# Altium PCB IntelligentCarFor51PcbDoc.PcbDoc (part 12 of 14)
Units mil, origin at the board's own origin, x right, y up, seen from the top; angles counter-clockwise.
Board outline 2298.05 x 2090.03 mil, 2 copper layers (Top Layer, Bottom Layer); 55 components, 66 nets, 258 pads, 143 vias.
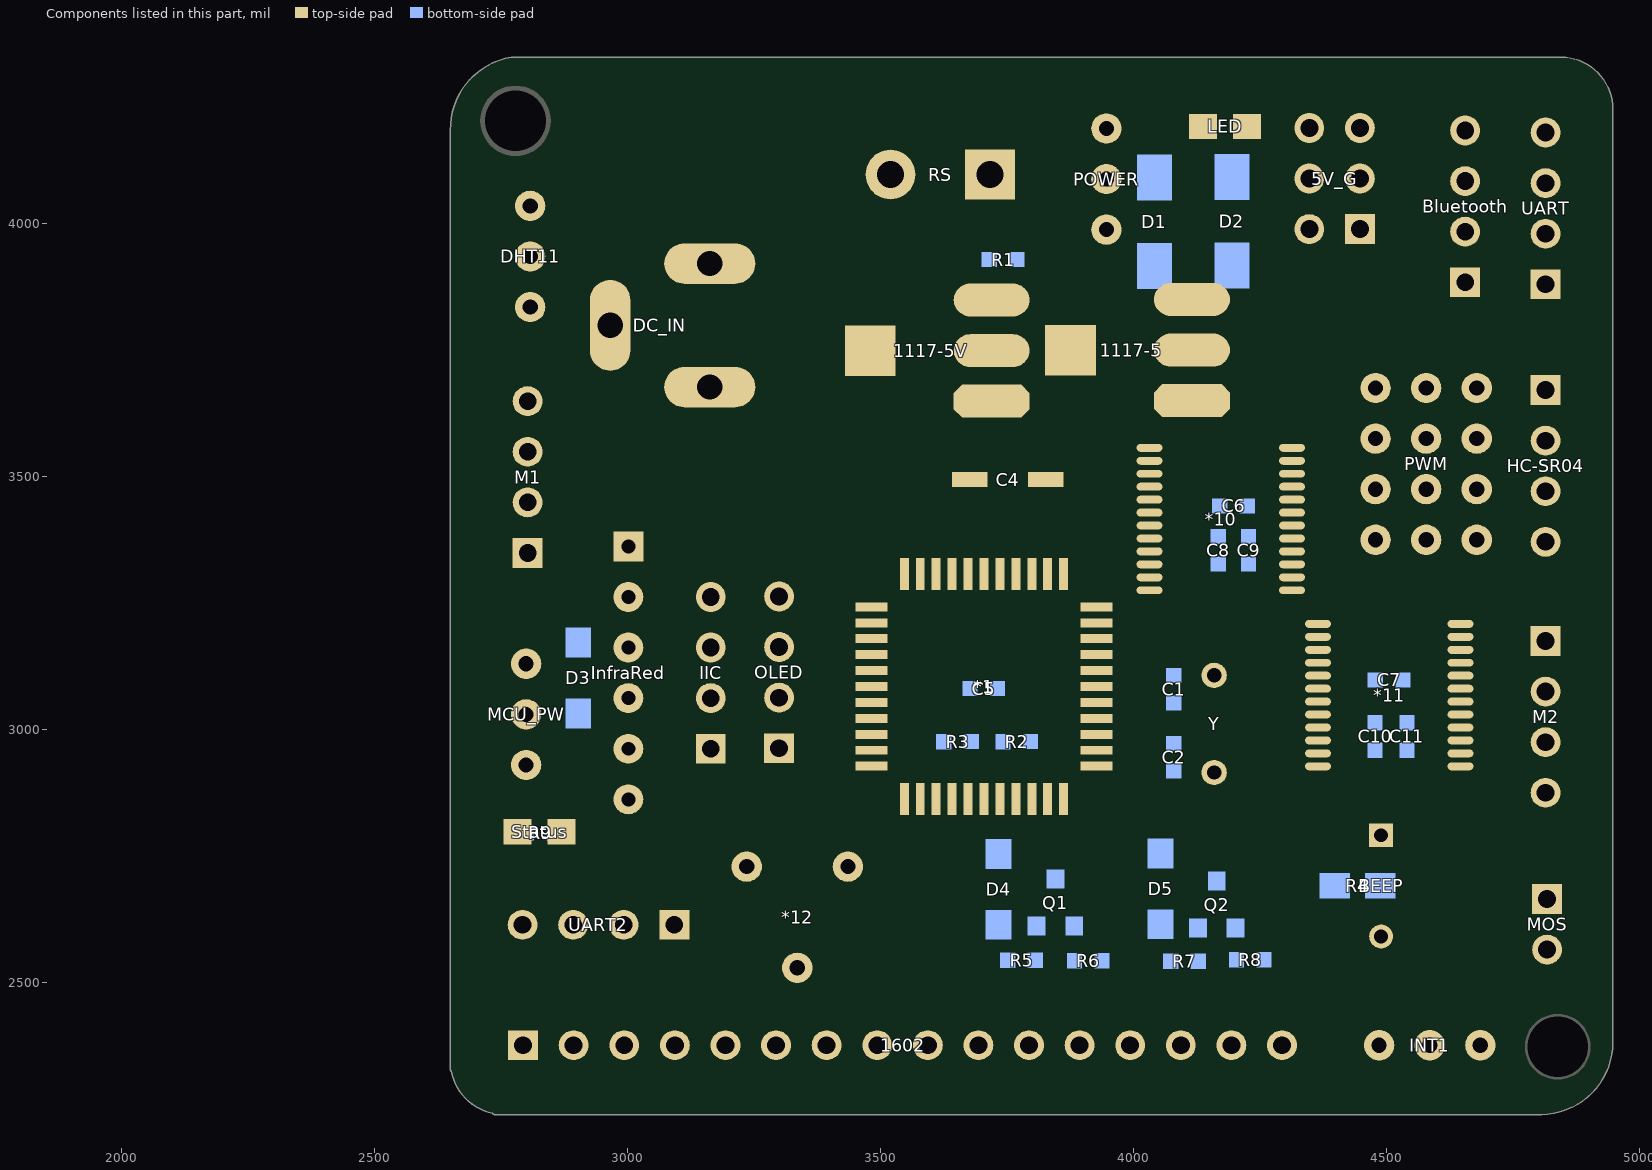
[diagram p12: the components of this part, seen from the top]

## Via types
v1: diameter 12, hole 8, Top Layer to Bottom Layer, 53 vias
v2: diameter 10, hole 7, Top Layer to Bottom Layer, 20 vias
v3: diameter 20, hole 12, Top Layer to Bottom Layer, 15 vias
v4: diameter 35, hole 25, Top Layer to Bottom Layer, 13 vias
v5: diameter 15, hole 10, Top Layer to Bottom Layer, 10 vias
v6: diameter 18, hole 12, Top Layer to Bottom Layer, 10 vias
v7: diameter 50, hole 35, Top Layer to Bottom Layer, 7 vias
v8: diameter 30, hole 20, Top Layer to Bottom Layer, 5 vias
v9: diameter 12, hole 7, Top Layer to Bottom Layer, 3 vias
v10: diameter 25, hole 18, Top Layer to Bottom Layer, 2 vias
v11: diameter 40, hole 30, Top Layer to Bottom Layer, 2 vias
v12: diameter 8, hole 7, Top Layer to Bottom Layer, 1 vias
v13: diameter 30, hole 22, Top Layer to Bottom Layer, 1 vias
v14: diameter 24, hole 18, Top Layer to Bottom Layer, 1 vias

## Nets (pads, with @x,y where several pads share a name; then routed paths per layer and width w, separated by ;. In a path a pad name is that pad's centre, name@x,y a point inside that pad or via, vN(x,y) a via of type N, cw(c..) or ccw(c..) an arc to the next point about the centre after c; other vN are vias at no path point) (continued)
copper on no net: (continued)
  Top Layer w0.4: 2228.8,2592.2 2254.8,2592.2 ; 2228.8,2617 2230.4,2617 ; 2228.8,2617.4 2230.4,2617.4 ; 2228.8,2633 2240.4,2633 ; 2228.8,2633.4 2240.4,2633.4 ; 2229.2,2616.6 2230,2616.6 ; 2229.2,2617.8 2229.6,2617.8 ; 2229.2,2632.6 2240,2632.6 ; 2229.6,2585.8 2239.6,2585.8 ; 2229.6,2599.8 2230.8,2599.8 ; 2229.6,2632.2 2239.6,2632.2 ; 2229.6,2637.8 2239.6,2637.8 ; 2230,2631.4 2238.8,2631.4 ; 2230,2631.8 2239.2,2631.8 ; 2230.4,2591.8 2254.4,2591.8 ; 2230.4,2631 2238.8,2631 ; 2230.8,2622.6 2232,2622.6 ; 2230.8,2623 2232.4,2623 ; 2230.8,2623.4 2232,2623.4 ; 2230.8,2630.6 2238.4,2630.6 ; 2231.2,2630.2 2238,2630.2 ; 2231.6,2591.4 2253.6,2591.4 ; 2231.6,2629.4 2237.6,2629.4 ; 2231.6,2629.8 2237.6,2629.8 ; 2231.6,2638.2 2238,2638.2 ; 2231.6,2656.6 2238.4,2656.6 ; 2231.6,2703 2243.2,2703 ; 2232,2618.6 2232.8,2618.6 ; 2232,2629 2237.2,2629 ; 2232.4,2617.8 2233.2,2617.8 ; 2232.4,2618.2 2233.2,2618.2 ; 2232.4,2619 2232.8,2619 ; 2232.4,2619.4 2233.2,2619.4 ; 2232.4,2619.8 2233.2,2619.8 ; 2232.4,2628.6 2236.8,2628.6 ; 2232.8,2617.4 2234,2617.4 ; 2232.8,2620.2 2233.6,2620.2 ; 2232.8,2628.2 2236.4,2628.2 ; 2233.2,2617 2236,2617 ; 2233.2,2620.6 2236,2620.6 ; 2233.2,2627.8 2236,2627.8 ; 2233.6,2616.6 2235.6,2616.6 ; 2233.6,2627.4 2235.6,2627.4 ; 2234,2585.4 2234.8,2585.4 ; 2234,2613 2234.8,2613 ; 2234,2613.4 2235.2,2613.4 ; 2234,2613.8 2235.2,2613.8 ; 2234,2614.2 2234.8,2614.2 ; 2234,2621 2235.2,2621 ; 2235.6,2617.4 2236.4,2617.4 ; 2235.6,2620.2 2236.4,2620.2 ; 2235.6,2702.6 2245.2,2702.6 ; 2236,2617.8 2236.8,2617.8 ; 2236,2618.2 2236.8,2618.2 ; 2236,2619.4 2236.8,2619.4 ; 2236,2619.8 2236.8,2619.8 ; 2236.4,2618.6 2236.8,2618.6 ; 2236.4,2619 2236.8,2619 ; 2236.8,2593.8 2256.8,2593.8 ; 2236.8,2623 2238.4,2623 ; 2236.8,2643.8 2245.6,2643.8 ; 2237.2,2622.6 2238.4,2622.6 ; 2237.2,2623.4 2238.4,2623.4 ; 2238,2702.2 2246.8,2702.2 ; 2238.4,2599.8 2239.6,2599.8 ; 2238.4,2600.2 2240.8,2600.2 ; 2238.4,2600.6 2242,2600.6 ; 2238.4,2601 2242.8,2601 ; 2238.4,2601.4 2243.6,2601.4 ; 2238.4,2601.8 2244.4,2601.8 ; 2238.4,2602.2 2245.2,2602.2 ; 2238.4,2602.6 2245.6,2602.6 ; 2238.4,2603 2246,2603 ; 2238.4,2603.4 2246.8,2603.4 ; 2238.4,2603.8 2247.2,2603.8 ; 2238.4,2604.2 2247.6,2604.2 ; 2238.4,2604.6 2248,2604.6 ; 2238.4,2605 2248.4,2605 ; 2238.4,2605.4 2248.8,2605.4 ; 2238.4,2605.8 2249.2,2605.8 ; 2238.4,2606.2 2249.6,2606.2 ; 2238.4,2606.6 2250,2606.6 ; 2238.4,2607 2250.4,2607 ; 2238.4,2607.4 2250.8,2607.4 ; 2238.4,2607.8 2250.8,2607.8 ; 2238.4,2608.2 2251.2,2608.2 ; 2238.4,2608.6 2251.2,2608.6 ; 2238.4,2609 2251.6,2609 ; 2238.4,2609.4 2251.6,2609.4 ; 2238.4,2609.8 2250.4,2609.8 ; 2238.4,2610.2 2249.2,2610.2 ; 2238.8,2610.6 2247.6,2610.6 ; 2238.8,2611 2246,2611 ; 2238.8,2611.4 2244.8,2611.4 ; 2238.8,2611.8 2243.6,2611.8 ; 2238.8,2617 2240.4,2617 ; 2238.8,2617.4 2240.4,2617.4 ; 2239.2,2594.2 2257.2,2594.2 ; 2239.2,2612.2 2242,2612.2 ; 2239.2,2616.6 2240,2616.6 ; 2239.2,2617.8 2240,2617.8 ; 2239.6,2643.4 2246.4,2643.4 ; 2241.2,2594.6 2257.6,2594.6 ; 2241.2,2643 2247.2,2643 ; 2241.2,2701.8 2249.2,2701.8 ; 2242.4,2595 2258,2595 ; 2242.4,2621 2254,2621 ; 2242.4,2621.4 2254,2621.4 ; 2242.4,2621.8 2254,2621.8 ; 2242.4,2622.2 2254,2622.2 ; 2242.4,2622.6 2254,2622.6 ; 2242.4,2642.6 2248,2642.6 ; 2242.8,2620.6 2254,2620.6 ; 2242.8,2623 2253.6,2623 ; 2242.8,2623.4 2253.6,2623.4 ; 2242.8,2647.8 2260.4,2647.8 ; 2243.2,2620.2 2254,2620.2 ; 2243.2,2623.8 2253.6,2623.8 ; 2243.6,2595.4 2258.4,2595.4 ; 2243.6,2624.2 2253.6,2624.2 ; 2243.6,2624.6 2253.2,2624.6 ; 2243.6,2642.2 2248.4,2642.2 ; 2243.6,2701.4 2251.6,2701.4 ; 2244,2625 2253.2,2625 ; 2244,2625.4 2253.2,2625.4 ; 2244.4,2595.8 2258.8,2595.8 ; 2244.4,2619.8 2254,2619.8 ; 2244.4,2625.8 2252.8,2625.8 ; 2244.4,2641.8 2248.8,2641.8 ; 2244.4,2647.4 2261.2,2647.4 ; 2244.8,2626.2 2252.8,2626.2 ; 2245.2,2626.6 2252.8,2626.6 ; 2245.2,2627 2252.4,2627 ; 2245.6,2596.2 2259.2,2596.2 ; 2245.6,2619.4 2254,2619.4 ; 2245.6,2627.4 2252.4,2627.4 ; 2245.6,2641.4 2249.6,2641.4 ; 2245.6,2647 2261.6,2647 ; 2246,2627.8 2252,2627.8 ; 2246,2628.2 2252,2628.2 ; 2246,2641 2250,2641 ; 2246,2701 2253.2,2701 ; 2246.4,2596.6 2259.6,2596.6 ; 2246.4,2628.6 2251.6,2628.6 ; 2246.8,2597 2260,2597 ; 2246.8,2619 2254,2619 ; 2246.8,2629 2251.2,2629 ; 2246.8,2629.4 2251.2,2629.4 ; 2246.8,2640.6 2250.4,2640.6 ; 2246.8,2646.6 2262,2646.6 ; 2247.2,2629.8 2250.8,2629.8 ; 2247.6,2597.4 2260.4,2597.4 ; 2247.6,2618.6 2254,2618.6 ; 2247.6,2630.2 2250.8,2630.2 ; 2247.6,2630.6 2250.4,2630.6 ; 2247.6,2640.2 2250.8,2640.2 ; 2248,2631 2250,2631 ; 2248,2646.2 2262.4,2646.2 ; 2248,2700.6 2255.2,2700.6 ; 2248.4,2597.8 2260.4,2597.8 ; 2248.4,2631.4 2249.6,2631.4 ; 2248.4,2631.8 2249.2,2631.8 ; 2248.4,2639.8 2251.2,2639.8 ; 2248.4,2645.8 2262.8,2645.8 ; 2248.8,2598.2 2260.8,2598.2 ; 2248.8,2618.2 2254,2618.2 ; 2248.8,2639.4 2251.6,2639.4 ; 2249.2,2639 2252,2639 ; 2249.2,2645.4 2263.2,2645.4 ; 2249.6,2598.6 2261.2,2598.6 ; 2249.6,2617.8 2254,2617.8 ; 2249.6,2700.2 2256.4,2700.2 ; 2250,2599 2261.6,2599 ; 2250,2638.6 2252.4,2638.6 ; 2250,2645 2263.6,2645 ; 2250.4,2599.4 2262,2599.4 ; 2250.4,2638.2 2252.8,2638.2 ; 2250.4,2644.6 2264,2644.6 ; 2250.8,2599.8 2262,2599.8 ; 2250.8,2617.4 2254,2617.4 ; 2250.8,2637.8 2253.2,2637.8 ; 2251.2,2600.2 2262.4,2600.2 ; 2251.2,2637.4 2254,2637.4 ; 2251.2,2644.2 2264.4,2644.2 ; 2251.2,2699.8 2258,2699.8 ; 2251.6,2600.6 2262.8,2600.6 ; 2251.6,2637 2267.2,2637 ; 2251.6,2643.8 2264.8,2643.8 ; 2252,2617 2254,2617 ; 2252,2643.4 2265.2,2643.4 ; 2252.4,2601 2262.8,2601 ; 2252.4,2636.6 2266,2636.6 ; 2252.4,2643 2266,2643 ; 2252.8,2601.4 2263.2,2601.4 ; 2252.8,2635.8 2332.4,2635.8 ; 2252.8,2636.2 2332.4,2636.2 ; 2252.8,2642.6 2295.6,2642.6 ; 2253.2,2601.8 2263.2,2601.8 ; 2253.2,2602.2 2263.6,2602.2 ; 2253.2,2616.6 2254,2616.6 ; 2253.2,2635.4 2332.4,2635.4 ; 2253.2,2642.2 2294,2642.2 ; 2253.2,2699.4 2259.6,2699.4 ; 2253.6,2602.6 2263.6,2602.6 ; 2253.6,2635 2332,2635 ; 2253.6,2641.8 2291.6,2641.8 ; 2254,2603 2264,2603 ; 2254,2634.6 2332,2634.6 ; 2254,2641 2287.6,2641 ; 2254,2641.4 2289.6,2641.4 ; 2254,2687.4 2312,2687.4 ; 2254.4,2603.4 2264.4,2603.4 ; 2254.4,2634.2 2332,2634.2 ; 2254.4,2640.6 2286,2640.6 ; 2254.8,2603.8 2264.4,2603.8 ; 2254.8,2604.2 2264.8,2604.2 ; 2254.8,2633.4 2332,2633.4 ; 2254.8,2633.8 2332,2633.8 ; 2254.8,2639.8 2282.8,2639.8 ; 2254.8,2640.2 2284.4,2640.2 ; 2255.2,2604.6 2264.8,2604.6 ; 2255.2,2633 2332,2633 ; 2255.2,2637.4 2270,2637.4 ; 2255.2,2637.8 2272.4,2637.8 ; 2255.2,2638.6 2276.4,2638.6 ; 2255.2,2639 2278.4,2639 ; 2255.2,2639.4 2280.8,2639.4 ; 2255.2,2699 2261.2,2699 ; 2255.6,2605 2265.2,2605 ; 2255.6,2605.4 2265.2,2605.4 ; 2255.6,2632.2 2331.2,2632.2 ; 2255.6,2632.6 2331.6,2632.6 ; 2255.6,2638.2 2274.4,2638.2 ; 2256,2605.8 2265.2,2605.8 ; 2256,2631.8 2330.8,2631.8 ; 2256.4,2606.2 2265.6,2606.2 ; 2256.4,2606.6 2265.6,2606.6 ; 2256.4,2631 2330.4,2631 ; 2256.4,2631.4 2330.8,2631.4 ; 2256.8,2607 2265.6,2607 ; 2256.8,2607.4 2266,2607.4 ; 2256.8,2630.2 2330.4,2630.2 ; 2256.8,2630.6 2330.4,2630.6 ; 2256.8,2698.6 2262.8,2698.6 ; 2257.2,2607.8 2266,2607.8 ; 2257.2,2608.2 2266.4,2608.2 ; 2257.2,2629.4 2330,2629.4 ; 2257.2,2629.8 2330,2629.8 ; 2257.6,2608.6 2266.4,2608.6 ; 2257.6,2609 2266.4,2609 ; 2257.6,2609.4 2266.8,2609.4 ; 2257.6,2628.6 2330,2628.6 ; 2257.6,2629 2330,2629 ; 2258,2609.8 2266.8,2609.8 ; 2258,2610.2 2266.8,2610.2 ; 2258,2627.4 2329.6,2627.4 ; 2258,2627.8 2329.6,2627.8 ; 2258,2628.2 2329.6,2628.2 ; 2258,2675.4 2313.6,2675.4 ; 2258.4,2610.6 2267.2,2610.6 ; 2258.4,2611 2267.2,2611 ; 2258.4,2611.4 2267.2,2611.4 ; 2258.4,2611.8 2267.6,2611.8 ; 2258.4,2625.8 2329.2,2625.8 ; 2258.4,2626.2 2329.2,2626.2 ; 2258.4,2626.6 2329.2,2626.6 ; 2258.4,2627 2329.2,2627 ; 2258.4,2698.2 2263.6,2698.2 ; 2258.8,2612.2 2310.8,2612.2 ; 2258.8,2612.6 2311.6,2612.6 ; 2258.8,2613 2312.8,2613 ; 2258.8,2624.2 2328.8,2624.2 ; 2258.8,2624.6 2328.8,2624.6 ; 2258.8,2625 2328.8,2625 ; 2258.8,2625.4 2328.8,2625.4 ; 2259.2,2613.4 2314,2613.4 ; 2259.2,2613.8 2314.8,2613.8 ; 2259.2,2614.2 2316,2614.2 ; 2259.2,2614.6 2316.8,2614.6 ; 2259.2,2615 2317.6,2615 ; 2259.2,2615.4 2318,2615.4 ; 2259.2,2622.6 2324,2622.6 ; 2259.2,2623 2324.4,2623 ; 2259.2,2623.4 2324.8,2623.4 ; 2259.2,2623.8 2324.8,2623.8 ; 2259.6,2615.8 2318,2615.8 ; 2259.6,2616.2 2318.8,2616.2 ; 2259.6,2616.6 2328,2616.6 ; 2259.6,2617 2328,2617 ; 2259.6,2617.4 2325.2,2617.4 ; 2259.6,2617.8 2318.4,2617.8 ; 2259.6,2618.2 2319.2,2618.2 ; 2259.6,2618.6 2328,2618.6 ; 2259.6,2619 2328.4,2619 ; 2259.6,2619.4 2328.4,2619.4 ; 2259.6,2619.8 2328.4,2619.8 ; 2259.6,2620.2 2328.4,2620.2 ; 2259.6,2620.6 2328.4,2620.6 ; 2259.6,2621 2325.2,2621 ; 2259.6,2621.4 2323.2,2621.4 ; 2259.6,2621.8 2323.2,2621.8 ; 2259.6,2622.2 2323.6,2622.2 ; 2259.6,2697.8 2265.2,2697.8 ; 2261.2,2697.4 2266.4,2697.4 ; 2262.4,2697 2267.6,2697 ; 2262.8,2687.8 2310.8,2687.8 ; 2264,2696.6 2268.8,2696.6 ; 2265.2,2696.2 2270,2696.2 ; 2266.4,2688.2 2308.8,2688.2 ; 2266.4,2695.8 2271.2,2695.8 ; 2267.6,2695.4 2272,2695.4 ; 2268,2611.8 2309.2,2611.8 ; 2268.4,2611.4 2308.4,2611.4 ; 2268.8,2643 2296.4,2643 ; 2268.8,2688.6 2307.2,2688.6 ; 2268.8,2695 2273.2,2695 ; 2269.2,2611 2307.2,2611 ; 2269.6,2610.6 2306,2610.6 ; 2270,2636.6 2332.4,2636.6 ; 2270,2694.6 2274,2694.6 ; 2270.4,2609.8 2303.2,2609.8 ; 2270.4,2610.2 2304.4,2610.2 ; 2270.4,2643.4 2297.6,2643.4 ; 2270.4,2689 2305.2,2689 ; 2270.8,2606.6 2289.2,2606.6 ; 2270.8,2607 2291.2,2607 ; 2270.8,2607.4 2293.2,2607.4 ; 2270.8,2607.8 2294.8,2607.8 ; 2270.8,2608.2 2296.8,2608.2 ; 2270.8,2608.6 2298.8,2608.6 ; 2270.8,2609 2300,2609 ; 2270.8,2609.4 2301.6,2609.4 ; 2271.2,2605.8 2284.4,2605.8 ; 2271.2,2606.2 2286.8,2606.2 ; 2271.2,2643.8 2298.4,2643.8 ; 2271.2,2694.2 2274.8,2694.2 ; 2271.6,2605.4 2281.2,2605.4 ; 2272,2693.8 2275.6,2693.8 ; 2272.4,2605 2278.8,2605 ; 2272.4,2644.2 2299.2,2644.2 ; 2272.4,2689.4 2303.6,2689.4 ; 2272.8,2693.4 2276.4,2693.4 ; 2273.2,2604.6 2276,2604.6 ; 2273.2,2644.6 2299.6,2644.6 ; 2273.6,2645 2300.4,2645 ; 2274,2645.4 2300.8,2645.4 ; 2274,2689.8 2300.8,2689.8 ; 2274,2693 2277.2,2693 ; 2274.8,2645.8 2301.2,2645.8 ; 2274.8,2692.6 2277.6,2692.6 ; 2275.2,2646.2 2301.6,2646.2 ; 2275.2,2690.2 2298.4,2690.2 ; 2275.2,2692.2 2281.6,2692.2 ; 2275.6,2646.6 2302,2646.6 ; 2276,2647 2302.4,2647 ; 2276,2691.8 2286.8,2691.8 ; 2276.4,2647.4 2302.8,2647.4 ; 2276.4,2690.6 2295.6,2690.6 ; 2276.8,2647.8 2302.8,2647.8 ; 2276.8,2691 2293.2,2691 ; 2276.8,2691.4 2290,2691.4 ; 2277.2,2648.2 2303.2,2648.2 ; 2277.6,2648.6 2303.2,2648.6 ; 2277.6,2649 2303.6,2649 ; 2278,2649.4 2303.6,2649.4 ; 2278.4,2649.8 2304,2649.8 ; 2278.8,2650.2 2304,2650.2 ; 2278.8,2650.6 2304,2650.6 ; 2279.2,2651 2304,2651 ; 2279.6,2651.4 2304.4,2651.4 ; 2280,2651.8 2304.4,2651.8 ; 2280.4,2652.2 2304.4,2652.2 ; 2280.8,2652.6 2304.4,2652.6 ; 2281.2,2653 2304.8,2653 ; 2281.6,2653.4 2304.8,2653.4 ; 2282,2653.8 2304.8,2653.8 ; 2282.4,2654.2 2304.8,2654.2 ; 2282.8,2654.6 2304.8,2654.6 ; 2283.2,2655 2304.8,2655 ; 2283.6,2655.4 2304.8,2655.4 ; 2284,2655.8 2304.8,2655.8 ; 2284.4,2656.2 2304.8,2656.2 ; 2285.2,2656.6 2304.8,2656.6 ; 2285.6,2657 2304.8,2657 ; 2286,2657.4 2304.8,2657.4 ; 2286.4,2657.8 2304.8,2657.8 ; 2287.2,2658.2 2304.8,2658.2 ; 2288,2658.6 2304.8,2658.6 ; 2288.4,2659 2304.8,2659 ; 2289.2,2659.4 2304.8,2659.4 ; 2289.6,2659.8 2304.4,2659.8 ; 2290.4,2660.2 2304.4,2660.2 ; 2291.2,2660.6 2304.4,2660.6 ; 2292,2661 2304.4,2661 ; 2292.4,2661.4 2304.4,2661.4 ; 2292.8,2637 2332.4,2637 ; 2293.2,2661.8 2304.4,2661.8 ; 2294,2662.2 2304.4,2662.2 ; 2294.8,2662.6 2304.4,2662.6 ; 2296,2663 2304.4,2663 ; 2296.8,2663.4 2304.4,2663.4 ; 2298,2663.8 2328,2663.8 ; 2298.8,2643 2300,2643 ; 2298.8,2664.2 2327.6,2664.2 ; 2298.8,2675 2299.2,2675 ; 2299.2,2637.4 2332.4,2637.4 ; 2299.2,2643.4 2302,2643.4 ; 2300,2643.8 2304,2643.8 ; 2300,2664.6 2321.6,2664.6 ; 2300.4,2675 2300.8,2675 ; 2300.8,2644.2 2306.4,2644.2 ; 2300.8,2665 2305.2,2665 ; 2301.2,2644.6 2308.4,2644.6 ; 2301.2,2673.4 2302.8,2673.4 ; 2301.2,2673.8 2303.2,2673.8 ; 2301.2,2674.2 2306,2674.2 ; 2301.2,2674.6 2309.2,2674.6 ; 2301.2,2675 2311.2,2675 ; 2301.6,2645 2310.4,2645 ; 2301.6,2672.6 2303.2,2672.6 ; 2301.6,2673 2302.8,2673 ; 2302,2645.4 2311.6,2645.4 ; 2302,2665.4 2305.2,2665.4 ; 2302,2671.8 2303.6,2671.8 ; 2302,2672.2 2303.2,2672.2 ; 2302.4,2645.8 2313.6,2645.8 ; 2302.4,2671 2303.6,2671 ; 2302.4,2671.4 2303.6,2671.4 ; 2302.8,2646.2 2314.8,2646.2 ; 2302.8,2669.8 2304,2669.8 ; 2302.8,2670.2 2304,2670.2 ; 2302.8,2670.6 2304,2670.6 ; 2303.2,2646.6 2316.4,2646.6 ; 2303.2,2668.2 2304.4,2668.2 ; 2303.2,2668.6 2304.4,2668.6 ; 2303.2,2669 2304.4,2669 ; 2303.2,2669.4 2304,2669.4 ; 2303.6,2637.8 2332.4,2637.8 ; 2303.6,2647 2318,2647 ; 2303.6,2647.4 2319.2,2647.4 ; 2303.6,2665.8 2305.2,2665.8 ; 2303.6,2666.2 2304.8,2666.2 ; 2303.6,2666.6 2304.8,2666.6 ; 2303.6,2667 2304.8,2667 ; 2303.6,2667.4 2304.8,2667.4 ; 2303.6,2667.8 2304.4,2667.8 ; 2304,2647.8 2320,2647.8 ; 2304,2648.2 2321.2,2648.2 ; 2304.4,2648.6 2322,2648.6 ; 2304.4,2649 2322.8,2649 ; 2304.8,2649.4 2323.6,2649.4 ; 2304.8,2649.8 2324.4,2649.8 ; 2304.8,2650.2 2324.8,2650.2 ; 2304.8,2663.4 2328,2663.4 ; 2305.2,2650.6 2327.6,2650.6 ; 2305.2,2651 2327.2,2651 ; 2305.2,2651.4 2326.8,2651.4 ; 2305.2,2661 2328,2661 ; 2305.2,2661.4 2328,2661.4 ; 2305.2,2661.8 2328,2661.8 ; 2305.2,2662.2 2328,2662.2 ; 2305.2,2662.6 2328,2662.6 ; 2305.2,2663 2328,2663 ; 2305.6,2651.8 2327.2,2651.8 ; 2305.6,2652.2 2327.2,2652.2 ; 2305.6,2652.6 2327.2,2652.6 ; 2305.6,2653 2327.2,2653 ; 2305.6,2653.4 2327.2,2653.4 ; 2305.6,2653.8 2327.2,2653.8 ; 2305.6,2654.2 2327.6,2654.2 ; 2305.6,2654.6 2327.6,2654.6 ; 2305.6,2655 2327.6,2655 ; 2305.6,2655.4 2327.6,2655.4 ; 2305.6,2655.8 2327.6,2655.8 ; 2305.6,2656.2 2327.6,2656.2 ; 2305.6,2656.6 2327.6,2656.6 ; 2305.6,2657 2327.6,2657 ; 2305.6,2657.4 2327.6,2657.4 ; 2305.6,2657.8 2327.6,2657.8 ; 2305.6,2658.2 2327.6,2658.2 ; 2305.6,2658.6 2327.6,2658.6 ; 2305.6,2659 2328,2659 ; 2305.6,2659.4 2328,2659.4 ; 2305.6,2659.8 2328,2659.8 ; 2305.6,2660.2 2328,2660.2 ; 2305.6,2660.6 2328,2660.6 ; 2307.2,2638.2 2332.4,2638.2 ; 2309.2,2671 2321.2,2671 ; 2309.2,2671.4 2321.2,2671.4 ; 2309.2,2671.8 2310,2671.8 ; 2309.6,2669.4 2321.2,2669.4 ; 2309.6,2669.8 2321.2,2669.8 ; 2309.6,2670.2 2321.2,2670.2 ; 2309.6,2670.6 2321.2,2670.6 ; 2310,2638.6 2332.4,2638.6 ; 2310,2667.4 2310.8,2667.4 ; 2310,2667.8 2310.8,2667.8 ; 2310,2668.2 2310.8,2668.2 ; 2310,2668.6 2321.2,2668.6 ; 2310,2669 2321.2,2669 ; 2310.4,2665.8 2311.2,2665.8 ; 2310.4,2666.2 2311.2,2666.2 ; 2310.4,2666.6 2310.8,2666.6 ; 2310.4,2667 2310.8,2667 ; 2310.8,2672.6 2312.4,2672.6 ; 2311.6,2673 2312.4,2673 ; 2312,2673.4 2312.4,2673.4 ; 2312,2673.8 2312.4,2673.8 ; 2313.2,2639 2332.4,2639 ; 2313.6,2672.6 2314.8,2672.6 ; 2314,2673 2315.2,2673 ; 2314.4,2673.4 2315.2,2673.4 ; 2316,2639.4 2332.8,2639.4 ; 2316,2672.6 2317.6,2672.6 ; 2316.8,2673 2317.6,2673 ; 2316.8,2673.4 2317.6,2673.4 ; 2317.2,2673.8 2317.6,2673.8 ; 2318,2639.8 2332.8,2639.8 ; 2318.8,2672.6 2320,2672.6 ; 2319.2,2616.2 2328,2616.2 ; 2319.2,2673 2320,2673 ; 2319.6,2673.4 2320,2673.4 ; 2319.6,2673.8 2320,2673.8 ; 2320,2640.2 2332.8,2640.2 ; 2320.8,2672.6 2322.4,2672.6 ; 2321.6,2640.6 2332.8,2640.6 ; 2321.6,2673 2322.4,2673 ; 2322,2618.2 2328,2618.2 ; 2322,2673.4 2322.4,2673.4 ; 2322,2673.8 2322.4,2673.8 ; 2322.8,2677.4 2325.2,2677.4 ; 2323.2,2641 2332.8,2641 ; 2323.2,2676.2 2325.6,2676.2 ; 2323.2,2676.6 2325.2,2676.6 ; 2323.2,2677 2325.2,2677 ; 2323.6,2675.4 2325.6,2675.4 ; 2323.6,2675.8 2325.6,2675.8 ; 2324,2674.2 2326.4,2674.2 ; 2324,2674.6 2326,2674.6 ; 2324,2675 2326,2675 ; 2324.4,2672.6 2326.8,2672.6 ; 2324.4,2673 2326.8,2673 ; 2324.4,2673.4 2326.4,2673.4 ; 2324.4,2673.8 2326.4,2673.8 ; 2324.8,2670.6 2327.2,2670.6 ; 2324.8,2671 2327.2,2671 ; 2324.8,2671.4 2326.8,2671.4 ; 2324.8,2671.8 2326.8,2671.8 ; 2324.8,2672.2 2326.8,2672.2 ; 2325.2,2641.4 2332.8,2641.4 ; 2325.2,2664.6 2327.6,2664.6 ; 2325.2,2665.8 2327.6,2665.8 ; 2325.2,2666.2 2327.6,2666.2 ; 2325.2,2666.6 2327.6,2666.6 ; 2325.2,2667 2327.6,2667 ; 2325.2,2667.4 2327.6,2667.4 ; 2325.2,2667.8 2327.6,2667.8 ; 2325.2,2668.2 2327.6,2668.2 ; 2325.2,2668.6 2327.6,2668.6 ; 2325.2,2669 2327.2,2669 ; 2325.2,2669.4 2327.2,2669.4 ; 2325.2,2669.8 2327.2,2669.8 ; 2325.2,2670.2 2327.2,2670.2 ; 2325.6,2650.2 2328,2650.2 ; 2325.6,2665 2327.6,2665 ; 2325.6,2665.4 2327.6,2665.4 ; 2326,2617.4 2328,2617.4 ; 2326,2649.8 2328.4,2649.8 ; 2326.4,2615.8 2327.6,2615.8 ; 2326.4,2617.8 2328,2617.8 ; 2326.4,2621 2328.4,2621 ; 2326.4,2649.4 2329.2,2649.4 ; 2326.8,2621.4 2328.4,2621.4 ; 2326.8,2621.8 2328.4,2621.8 ; 2326.8,2622.2 2328.4,2622.2 ; 2326.8,2622.6 2328.8,2622.6 ; 2326.8,2623 2328.8,2623 ; 2326.8,2623.4 2328.8,2623.4 ; 2326.8,2623.8 2328.8,2623.8 ; 2326.8,2641.8 2332.8,2641.8 ; 2327.2,2649 2329.6,2649 ; 2327.6,2648.6 2330,2648.6 ; 2328,2648.2 2330.4,2648.2 ; 2328.4,2642.2 2332.8,2642.2 ; 2328.8,2647.8 2330.8,2647.8 ; 2329.2,2647.4 2331.2,2647.4 ; 2329.6,2647 2331.6,2647 ; 2330,2642.6 2332.8,2642.6 ; 2330,2646.6 2332,2646.6 ; 2330.4,2646.2 2332.4,2646.2 ; 2330.8,2643 2332.8,2643 ; 2330.8,2645.4 2332.4,2645.4 ; 2330.8,2645.8 2332.4,2645.8 ; 2331.2,2643.8 2332.8,2643.8 ; 2331.2,2644.2 2332.8,2644.2 ; 2331.2,2644.6 2332.8,2644.6 ; 2331.2,2645 2332.8,2645 ; 2331.6,2643.4 2332.8,2643.4